# Altium PCB AirScoutPCBV2.1.PcbDoc (continued)
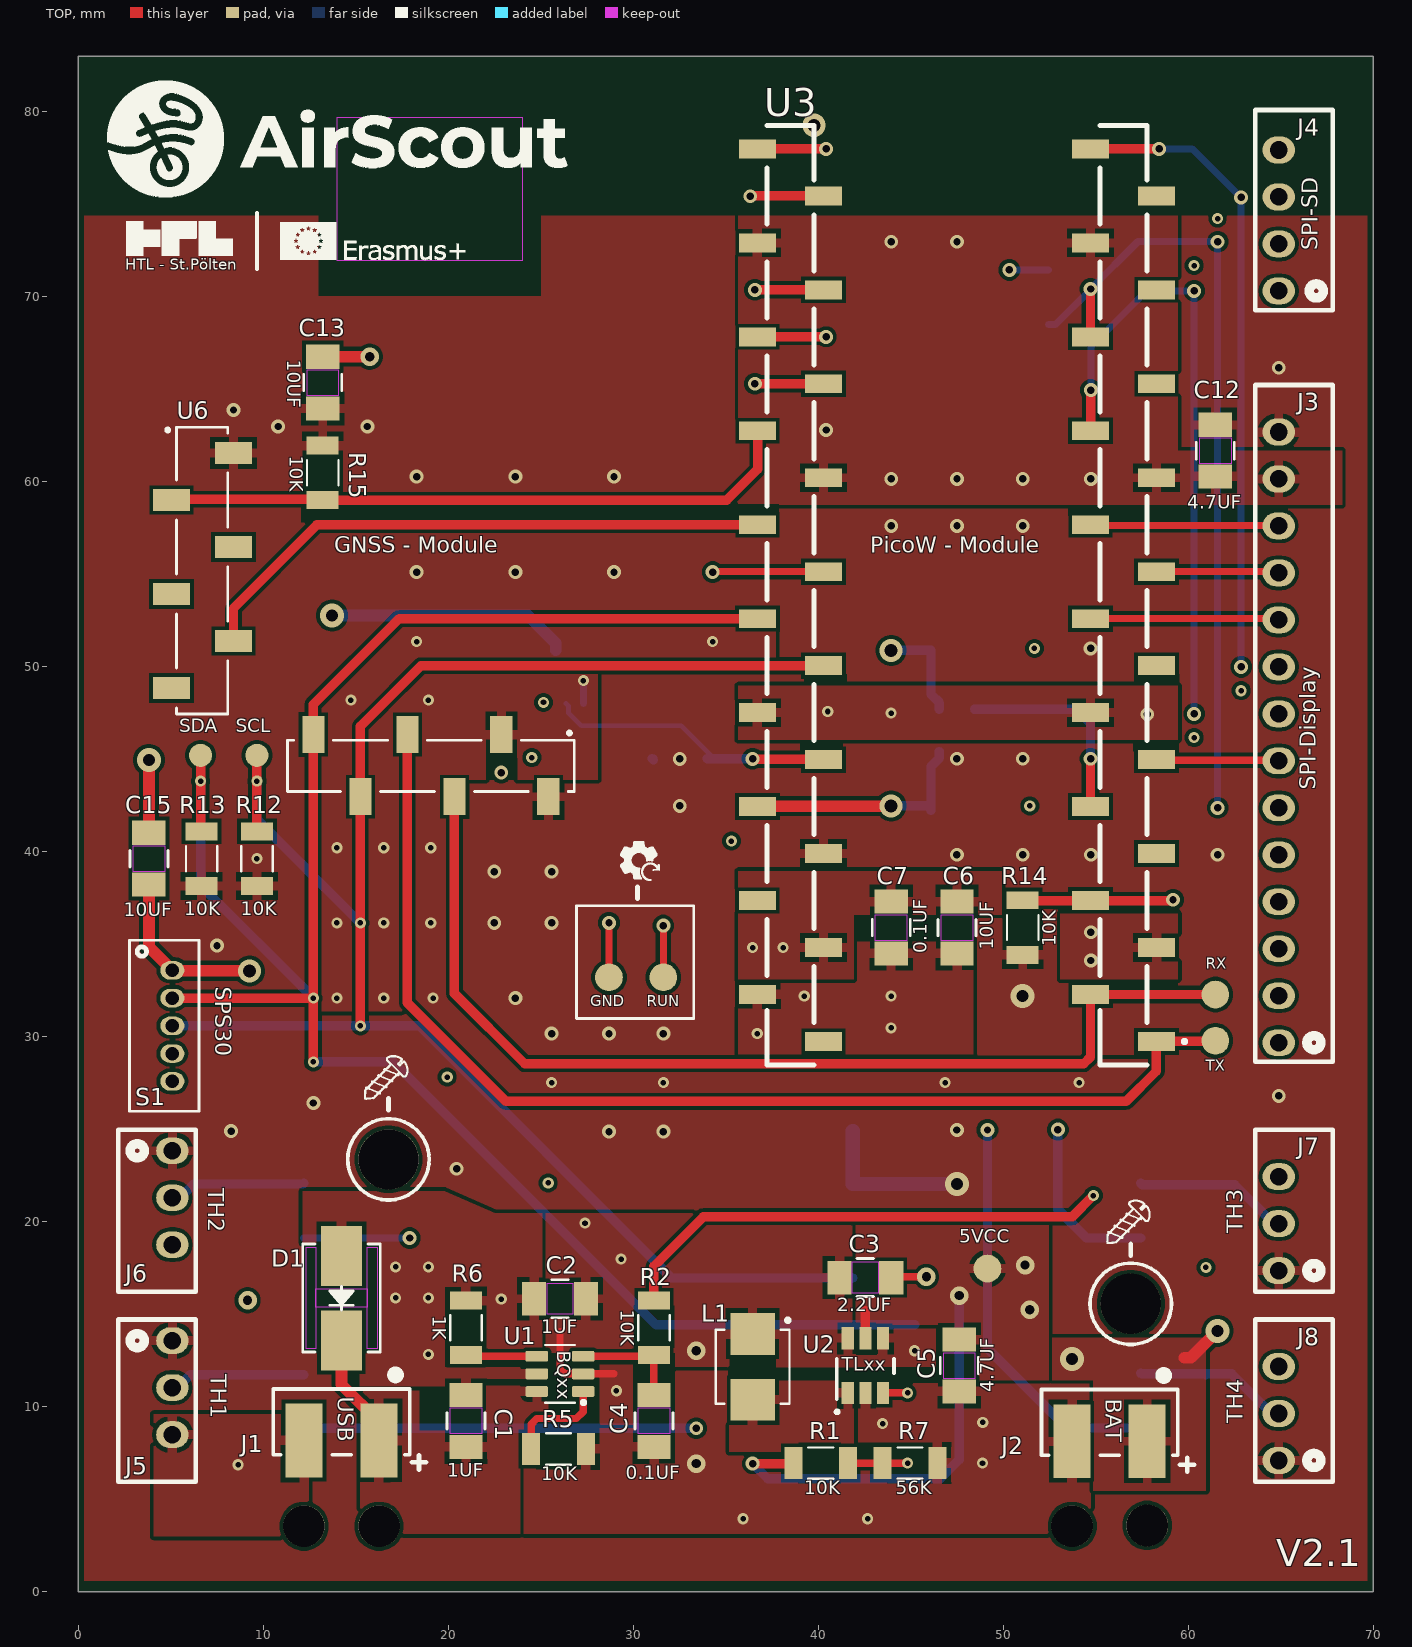
[diagram p0: TOP view]
## Components (designator, comment, footprint, x,y, rotation, side; value= is the part's Value field where it differs from the comment) (continued)
U3 "SSM-120-L-SV-BE-K-TR" "PicoW SC019" 47.5,54 r180 top
U4 "MCP6006T-E/OT" SOT23-5-AP2202K_DIO-M 27.305,46.566 r270 bottom
U5 "TCR2EF33,LM(CT" "SOT-25   SMV_TOS" 47.498,46.566 r270 bottom
U6 "NPPC061KFXC-RC" CAM8MQ-Mod 5.006,79.952 r270 top locked

## Footprints (in the part's own frame and the unit in brackets; to place one, negate y for a bottom-side part, rotate by r counter-clockwise, add the part's x,y. Pads: shape width x height; smd on the part's side, far side on the other; paste and mask are expansions set on the pad)
CAM8MQ-Mod [mm] "For SMD Soldering"
  rect 1.2x2 smd paste+0 mask+0.025: 1(18.4,3.376) 2(20.94,0.024) 3(23.48,3.376) 4(26.02,0.024) 5(28.56,3.376) 6(31.1,0.024)
  rect 2x1.2 smd paste+0 mask+0.025: 7(36.976,20.4) 8(33.624,17.86) 9(36.976,15.32) 10(33.624,12.78) 11(36.976,10.24) 12(33.624,7.7)
  TOP keep-out region: 0.25,19 8,19 8,9 0.25,9
  silkscreen extent 17,0.3 36.7,21.8, body extent 17.14,-0.5 37.58,21.59, height 7.49
CAPC340180_140N_KEM [mm] "Caseform: 1206 Imperial; for Caps"
  rect 1.306x1.8 smd paste+0 mask+0: 1(-1.403,0) 2(1.403,0)
  TOP keep-out region: -0.699,-0.849 -0.699,0.849 0.699,0.849 0.699,-0.849
  silkscreen extent -0.44,-1.03 0.44,1.03, body extent -1.7,-0.9 1.7,0.9, height 1.4
CON2x1 [mm]
  rect 2x4 smd paste-1.803 mask-1.803: 1(2.032,-0.508) 2(-2.032,-0.508)
  silkscreen extent -3.68,-1.27 3.68,3.25
CONN5_B5B-ZR_JST [mm]
  oval 1x1.3 hole 0.737 paste-2539.97: 1(0,0) 2(-1.5,0) 3(-3,0) 4(-4.5,0) 5(-6,0)
  silkscreen extent -7.62,-1.43 1.62,2.33, body extent -7.5,-1.24 1.5,2.26, height 4.5
CONN_3POL_SAMTEC [mm] "0705430013"
  oval 1.45x1.75 hole 0.95: 1(0,0) 2(-2.54,0) 3(-5.08,0)
  silkscreen extent -7.62,-1.27 1.14,2.92, body extent -7.23,-1.27 0.88,5.08, height 5.46
CONN_14POL_SAMTEC [mm] "0705430013"
  oval 1.45x1.75 hole 0.95: 1(0,0) 2(-2.54,0) 3(-5.08,0) 4(-7.62,0) 5(-10.16,0) 6(-12.7,0) 7(-15.24,0) 8(-17.78,0) 9(-20.32,0) 10(-22.86,0) 11(-25.4,0) 12(-27.94,0) 13(-30.48,0) 14(-33.02,0)
  silkscreen extent -35.56,-1.27 1.03,2.92, body extent -35.29,-1.27 0.75,5.08, height 5.97
DBV0006A_M [mm]
  rect 1.2x0.65 smd paste+0 mask+0.051: 1(-1.475,0.95) 2(-1.475,0) 3(-1.475,-0.95) 4(1.475,-0.95) 5(1.475,0) 6(1.475,0.95)
  silkscreen extent -1.83,-1.55 0.38,1.55, body extent -1.4,-1.45 1.4,1.45, height 1.2
IND_FDSD0420-H-100M=P3 [mm]
  rect 2.25x2.4 smd: 1(-1.778,0) 2(1.778,0)
  silkscreen extent -2.62,-2 2,2, body extent -2,-2 2,2, height 2
"PicoW SC019" [mm] "For Description look into Schematics"
  rect 2x1.02 smd: 1(-10.778,24.26) 2(-7.222,21.72) 3(-10.778,19.18) 4(-7.222,16.64) 5(-10.778,14.1) 6(-7.222,11.56) 7(-10.778,9.02) 8(-7.222,6.48) 9(-10.778,3.94) 10(-7.222,1.4) 11(-10.778,-1.14) 12(-7.222,-3.68) 13(-10.778,-6.22) 14(-7.222,-8.76) 15(-10.778,-11.3) 16(-7.222,-13.84) 17(-10.778,-16.38) 18(-7.222,-18.92) 19(-10.778,-21.46) 20(-7.222,-24) 21(10.778,-24) 22(7.222,-21.46) 23(10.778,-18.92) 24(7.222,-16.38) 25(10.778,-13.84) 26(7.222,-11.3) 27(10.778,-8.76) 28(7.222,-6.22) 29(10.778,-3.68) 30(7.222,-1.14) 31(10.778,1.4) 32(7.222,3.94) 33(10.778,6.48) 34(7.222,9.02) 35(10.778,11.56) 36(7.222,14.1) 37(10.778,16.64) 38(7.222,19.18) 39(10.778,21.72) 40(7.222,24.26)
  silkscreen extent -12.4,-25.27 10.27,25.53, body extent -11.41,-25.27 11.16,25.53, height 7.52
PIM357 [mm] "With BME680 Sensor"
  rect 1.2x2 smd paste+0 mask+0.025: 1(1.65,3.176) 2(4.19,-0.176) 3(6.73,3.176) 4(9.27,-0.176) 5(11.81,3.176) 6(14.35,-0.176)
  silkscreen extent 0.25,0.1 15.75,2.87, body extent 0.38,-0.75 15.62,3.54, height 7.49
RESC3116X65N [mm] "Caseform: 1206 Imperial"
  rect 0.97x1.73 smd: 1(-1.48,0) 2(1.48,0)
  silkscreen extent -0.67,-0.85 0.67,0.85, body extent -1.55,-0.8 1.55,0.8, height 0.65
SAMTEC_IDMS-04-S-02.00 [mm]
  oval 1.45x1.75 hole 0.95: 1(0,0) 2(-2.54,0) 3(-5.08,0) 4(-7.62,0)
  silkscreen extent -9.78,-1.27 1.04,2.92, body extent -9.77,-1.27 0.88,5.08, height 5.46
SMB_DIO [mm]
  rect 3.25x2.21 smd paste+0 mask+0: A(2.286,0) K(-2.286,0)
  TOP keep-out region: -2.744,1.397 -2.744,1.919 2.744,1.919 2.744,1.397
  TOP keep-out region: -2.744,-1.919 -2.744,-1.397 2.744,-1.397 2.744,-1.919
  TOP keep-out region: -0.508,-1.397 -0.508,1.397 0.508,1.397 0.508,-1.397
  silkscreen extent -2.92,-2.1 2.92,2.1, body extent -2.8,-1.97 2.8,1.97, height 2.45
SOT23-5-AP2202K_DIO-M [mil]
  rect 47.15x20 smd paste+0 mask+0: 1(-57.08,37) 2(-57.08,0) 3(-57.08,-37) 4(57.08,-37.5) 5(57.08,37.5)
  silkscreen extent -39,-66 39,66, body extent -59,-61 59,61, height 57
SOT95P280X145-6N [mm]
  rrect25% 1.21x0.58 smd: 1(-1.255,0.95) 2(-1.255,0) 3(-1.255,-0.95) 4(1.255,-0.95) 5(1.255,0) 6(1.255,0.95)
  silkscreen extent -1.37,-1.56 0.8,1.64, body extent -1.4,-1.45 1.4,1.45, height 1.45
"SOT-25   SMV_TOS" [mil]
  rect 56x22 smd paste+0 mask+0: 1(-45.06,37.4) 2(-45.06,0) 3(-45.06,-37.4) 4(45.06,-37.4) 5(45.06,37.4)
  silkscreen extent -37,-62 37,62, body extent -55,-57 55,57, height 45

## Part data
C1 C2 C8: library part CAP, "CAP CER 1UF 25V X7R 1206"
C3: library part CAP, "CAP CER 2.2UF 50V X7R 1206"
C4 C7 C10 C11 C16 C17 C18 C19: library part CAP, "CAP CER 0.1UF 50V X7R 1206"
C5 C12: library part CAP, "CAP CER 4.7UF 50V X7R 1206"
C6 C9 C13 C14 C15: library part CAP, "CAP CER 10UF 25V X7R 1206"
D1: library part Diode-Schottky, "TVS DIODE 14VWM 23.2VC SMB"
J1 J2: library part CON2x1_vertical, "CONN HEADER VERT 2POS 2MM"
J3: library part CON7x2, "Alternitives: IDMS-14-D-03.00, IDMS-14-D-02.00, IDMS-14-D-03.00-R"
J4: library part "CON 4x1", "Alternitives:  IDMS-4-D-03.00, IDMS-4-D-02.00, IDMS-4-D-03.00-R"
J5 J6 J7 J8: library part "CON 3x1", "Alternitives:  IDMS-3-D-03.00, IDMS-3-D-02.00, IDMS-3-D-03.00-R"
L1: library part Inductor, "FIXED IND 10UH 2A 216 MOHM SMD;  / AIUR-05-100K"
R1 R2 R3 R5 R8 R12 R13 R14 R15 R16 R17 R18 R19: library part RES, "RES 10K OHM 1% 1/4W 1206"
R6: library part RES, "RES 1K OHM 1% 1/2W 1206"
R7: library part RES, "RES 56K OHM 5% 1/4W 1206"
R9: library part RES, "RES 200K OHM 5% 1/4W 1206"
R10 R11: library part RES, "RES 220K OHM 5% 1/4W 1206"
S1: library part "SPS30 Module", "Plug: CONN HEADER VERT 5POS 1.5MM; Air Sensor Dust Sensor Box SPS30 Module: 1649-1106-ND", ComponentLink1Description=Datasheet, ComponentLink1URL=https://sensirion.com/media/documents/8600FF88/64A3B8D6/Sensirion_PM_Sensors_Datasheet_SPS30.pdf, ComponentLink2Description="EU Component", ComponentLink2URL=https://www.digikey.at/en/products/detail/sensirion-ag/SPS30/9598990?gclsrc=aw.ds&gad_source=1&gad_campaignid=9415055229&gbraid=0AAAAADrbLlghU28cdFM9RQIiS448Os4NQ&gclid=Cj0KCQjwzt_FBhCEARIsAJGFWVladtv1vxGMu0RXHFTM9ng6qsDvV838Q-BR2Fl5FYFzWahIkC0y_aYaAqE3EALw_wcB
S2: library part "BME680 Module", "Header: CONN HDR 6POS 0.1 GOLD SMD; Sensor: EVAL BOARD BME680 SENSOR - Gas, Feuchtigkeit, Druck, Temperatur Evaluierungsboards - Sensoren", ComponentLink1Description=Datasheet, ComponentLink1URL=chrome-extension://efaidnbmnnnibpcajpcglclefindmkaj/https://mm.digikey.com/Volume0/opasdata/d220001/medias/docus/854/PIM357_Web.pdf
U1: "OVP (Over-Voltage-Protection), SCP (Short-Circuit- Protection), OTP (Over - Temp. - Prot.); 1-cell, 0.8-A Li-ion and Li-polymer battery charger", Package="SOT-23-6 Texas Instruments", Check_prices=https://www.snapeda.com/parts/BQ21040DBVR/Texas+Instruments/view-part/?ref=eda, MF="Texas Instruments", MP=BQ21040DBVR, SnapEDA_Link=https://www.snapeda.com/parts/BQ21040DBVR/Texas+Instruments/view-part/?ref=snap
U2: "28-V Output Voltage Boost Converter with Power Diode and Isolation Switch 6-SOT-23 -40 to 125", Manufacturer_Name="Texas Instruments", Copyright="Copyright (C) 2025 Ultra Librarian. All rights reserved.", Manufacturer_Part_Number=TLV61046ADBVR, RefDes=RefDes, Type=TYPE
U3: library part "Raspberry PicoW SC019 Module", "(2x) CONN RCPT 20POS 0.1 GOLD SMD; PicoW: SC0918; RASPBERRY PI PICO W RP2040", ComponentLink1Description="EU Component", ComponentLink1URL=https://www.reichelt.at/at/de/shop/produkt/raspberry_pi_pico_rp2040_cortex-m0_microusb-295706, ComponentLink2Description=Datasheet, ComponentLink2URL=chrome-extension://efaidnbmnnnibpcajpcglclefindmkaj/https://datasheets.raspberrypi.com/picow/pico-w-datasheet.pdf
U4: "IC OPAMP GP 1 CIRCUIT SOT23-5"
U5: library part TCR2EF33,LMCT, "IC REG LINEAR 3.3V 200MA SMV", Manufacturer_Name="Toshiba Electronic Devices & Storage Corp.", Copyright="Copyright (C) 2025 Ultra Librarian. All rights reserved.", Manufacturer_Part_Number=TCR2EF33,LM(CT, RefDes=RefDes, Type=Type
U6: library part "CAM-M8Q Module", "(2x) CONN HDR 6POS 0.1 GOLD SMD; GPS - Module:  201880; CAM-M8Q-BREAKOUT MULTI GNSS MODU", ComponentLink1Description="Datasheet IC", ComponentLink1URL=chrome-extension://efaidnbmnnnibpcajpcglclefindmkaj/https://content.u-blox.com/sites/default/files/CAM-M8-FW3_DataSheet_%28UBX-15031574%29.pdf

## Free pads (board coordinates)
  round 1.5 smd: 1(28.686,33.212) 1(31.623,33.212) 1(49.149,17.464) 1(61.468,29.783) 1(61.468,32.28)
  round 1.25 smd: 2(6.604,45.212) 2(9.652,45.212)
  round 3.25 hole 3.25 unplated: BM1(56.896,15.559) BM2(16.764,23.368)
  round 2.25 hole 2.25 unplated: CM1(12.192,3.542) CM2(16.256,3.542) CM3(53.721,3.542) CM4(57.785,3.576)

## Via types
v1: diameter 0.75, hole 0.4, TOP to BOTTOM, 75 vias
v2: diameter 0.6, hole 0.3, TOP to BOTTOM, 64 vias
v3: diameter 1, hole 0.5, TOP to BOTTOM, 8 vias
v4: diameter 1.3, hole 0.65, TOP to BOTTOM, 6 vias
v5: diameter 1.25, hole 0.7, TOP to BOTTOM, 3 vias
v6: diameter 1.27, hole 0.711, TOP to BOTTOM, 1 vias

## Nets (pads, with @x,y where several pads share a name; then routed paths per layer and width w, separated by ;. In a path a pad name is that pad's centre, name@x,y a point inside that pad or via, vN(x,y) a via of type N, cw(c..) or ccw(c..) an arc to the next point about the centre after c; other vN are vias at no path point)
3V3: C12.2 C13.2 C14.2 J3.14 J5.1 J6.1 J7.1 J8.1 R3.2 R12.2 R13.2 R14.2 R15.2 S2.1 U3.36 U6.1 U6.7 | length 13.2
  SRC/S2 w0.762: v1(32.512,42.483) v1(32.512,45.023)
  BOTTOM w0.381: v1(50.336,71.457) R3.2
  BOTTOM w0.762: C14.2 41.866,24.902 41.866,22.043 S2.1 v4(47.498,22.036)
  other v1: 20.447,22.86 28.686,24.868 31.623,24.868 8.255,24.892 47.498,24.957 12.7,26.416 64.897,26.797 25.582,30.164 28.686,30.164 31.623,30.164 23.622,32.088 7.493,34.925 22.479,36.152 25.582,36.152 22.479,38.927 25.582,38.927 47.498,39.835 51.054,39.835 54.737,39.835 61.595,39.835 47.498,45.027 51.054,45.027 54.722,50.992 18.288,55.12 23.622,55.12 28.956,55.12 43.946,57.618 47.502,57.618 51.058,57.618 18.288,60.282 23.622,60.282 28.956,60.282 10.795,62.992 15.621,62.992 8.382,63.881 64.897,66.167
  other v2: 9.652,39.624
  other v4: 51.054,32.196
3V3-REF: C8.2 U3.35 U5.5 | length 12.8
  TOP w0.635: U3.35 36.743,42.462 43.92,42.462 v5(43.942,42.483)
  BOTTOM w0.508: v5(43.942,42.483) C8.2@46.076,42.483 ; C8.2@46.086,42.241 46.095,42.232 46.095,44.613 46.548,45.066 U5.5
5VCC: C5.2 C6.2 C7.2 C9.2 C11.2 C15.2 pad.1@49.149,17.464 R1.2 R10.2 S1.1 U2.5 U3.39 U4.5 U5.1 | length 67.6
  TOP w0.508: v1(36.449,6.92) 38.63,6.92 R1.2 ; U2.5@42.545,13.624 42.545,15.197
  TOP w0.635: C15.2 3.81,34.858 4.86,33.808 4.86,33.757 5.029,33.588 S1.1 5.102,33.566 9.234,33.566 v5(9.256,33.543)
  SRC/S2 w0.635: v5(9.256,33.543) 36.307,33.543 36.322,33.528 ; 41.536,19.439 42.191,19.439 42.2,19.431 42.458,19.431 42.527,19.361
  BOTTOM w0.508: v1(36.449,6.92) 37.267,6.102 46.591,6.102 47.625,7.136 v3(47.625,16.002) ; v5(43.942,50.881) 43.951,50.891 46.086,50.891 C11.2 46.095,48.519 46.548,48.066 U5.1
  other v1: 22.86,44.28
  other v2: 36.703,30.164 43.942,30.48 39.243,32.196 43.942,32.196 24.511,45.085 25.146,48.071
  other v3: 51.435,15.24 51.181,17.653
ADC2: R9.2 U3.34 U4.1 | length 15.7
  TOP w0.508: v1(36.449,45.023) 36.478,44.994 U3.34@40.278,44.994
  BOTTOM w0.254: U4.1 26.492,47.889 26.492,47.506 27.178,46.82 32.594,46.82 34.246,45.168 R9.2@34.246,45.042
  BOTTOM w0.508: R9.2 34.011,45.023 34.246,45.023 v1(36.449,45.023)
CHG: R2.1 R14.1 U3.4 | length 53
  TOP w0.508: R2.1 31.115,17.591 33.782,20.258 53.721,20.258 v2(54.871,21.408) ; R14.1@51.181,37.378 51.199,37.36 U3.4 59.139,37.36 v1(59.182,37.403)
  GND/S1 w0.508: v2(54.871,21.408) 59.182,25.719 v1(59.182,37.403)
CONT: U3.6 U5.3 | length 11.1
  TOP w0.508: U3.6 v1(54.722,45.027)
  BOTTOM w0.508: U5.3 53.955,47.71 54.722,46.943 v1(54.722,45.027)
DC: J3.10 U3.10 | length 10.5
  TOP w0.381: U3.10 J3.10@65.086,52.6
  TOP w0.508: J3.10@65.086,52.6 J3.10@65.151,52.535
EXTIN: U3.29 U6.5 | length 32
  TOP w0.508: U6.5 8.382,53.17 12.892,57.68 U3.29
FB: R1.1 R7.2 U2.3 | length 8.4
  TOP w0.4: R1.1 R7.2 v2(44.831,6.942) ; U2.3 v2(44.831,10.744)
  GND/S1 w0.4: v2(44.831,6.942) v2(44.831,10.744)
GND: C1.1 C2.1 C3.1 C4.1 C5.1 C6.1 C7.1 C8.1 C9.1 C10.1 C11.1 C12.1 C13.1 C14.1 C15.1 C16.1 C17.1 C18.1 C19.1 D1.A J1.2 J2.2 J3.13 J5.3 J6.3 J7.3 J8.3 pad.1@28.686,33.212 R5.1 R6.1 R7.1 R11.1 S1.5 S2.2 U1.5 U2.2 U3.3 U3.8 U3.13 U3.18 U3.23 U3.28 U3.33 U3.38 U4.2 U5.2 U6.8 | length 12.6
  TOP w0.4: pad.1@28.686,33.212 v1(28.686,36.152) ; C3.1 43.991,17.018 v3(45.847,17.018)
  TOP w0.635: C15.1 v4(3.81,44.958) ; C13.1 v3(15.748,66.765)
  BOTTOM w0.4: U4.2 v2(27.305,49.252)
  other v1: 54.737,34.12 54.737,35.644 57.785,47.436 43.946,60.158 47.502,60.158 51.058,60.158 54.737,60.158 40.426,62.803 43.946,72.982 47.502,72.982
  other v2: 35.941,3.937 42.672,3.937 8.636,6.858 48.88,6.947 43.478,9.082 48.895,9.144 18.923,12.828 22.86,15.813 17.145,15.875 18.923,15.875 60.96,17.526 17.145,17.558 18.923,17.558 25.4,22.098 25.582,27.516 31.623,27.516 46.863,27.516 54.102,27.516 19.939,27.813 13.97,32.088 16.51,32.088 19.177,32.088 36.449,34.82 38.1,34.82 13.97,36.152 16.51,36.152 19.05,36.152 13.97,40.214 16.51,40.216 19.05,40.216 35.306,40.578 51.435,42.483 60.325,46.166 43.942,47.498 40.513,47.582 14.732,48.198 18.923,48.198 62.865,48.706 51.689,50.992 18.288,51.361 34.29,51.361 60.325,71.693 61.595,74.233
  other v3: 33.401,6.92
I2C/SCL: pad.2@9.652,45.212 R12.1 S1.3 S2.3 U3.32 U6.11 | length 99.1
  TOP w0.508: R12.1 pad.2@9.652,45.212 ; v2(15.246,30.588) U6.11 15.246,46.782 18.524,50.06 U3.32
  BOTTOM w0.508: S1.3 v2(15.246,30.588) 18.434,30.588 32.066,16.956 S2.3 ; v2(9.652,43.815) 9.652,41.74 v2(15.24,36.152)
I2C/SDA: pad.2@6.604,45.212 R13.1 S1.2 S2.4 U3.31 U6.12 | length 109.2
  TOP w0.508: S1.2 v2(12.705,32.088) ; pad.2@6.604,45.212 6.604,41.163 R13.1 ; v2(12.7,28.64) 12.702,28.642 12.702,32.086 v2(12.705,32.088) ; 12.7,34.465 12.705,34.459 v2(12.705,32.088) ; 12.705,34.465 12.703,34.467 U6.12@12.703,46.326 ; U6.12 U6.12@12.703,46.326 ; U3.31@36.232,52.6 17.337,52.6 12.7,47.963 12.7,46.328 U6.12@12.702,46.326
  BOTTOM w0.508: v2(6.604,43.815) 6.604,38.189 v2(12.705,32.088) ; v2(12.7,28.64) 17.018,28.64 31.242,14.416 S2.4
LED: J3.7 U3.7 | length 7.2
  TOP w0.381: U3.7@58.311,44.947 J3.7@65.373,44.947
  TOP w0.508: U3.7 U3.7@58.311,44.947 ; J3.7@65.373,44.947 J3.7@65.405,44.915
NetC4_2: C4.2 R2.2 U1.3 | length 6
  TOP w0.4: U1.3 31.049,12.718 R2.2 C4.2
NetC10_2: C10.2 R8.1 U4.3
NetC16_2: C16.2 J5.2 R16.1 | length 7.4
  BOTTOM w0.508: J5.2 5.355,11.025 6.059,11.729 R16.1@12.192,11.729
NetC17_2: C17.2 J6.2 R17.1 | length 7.4
  BOTTOM w0.508: J6.2 5.496,21.293 6.239,22.036 8.636,22.036 12.153,22.036 R17.1
NetC18_2: C18.2 J7.2 R18.1 | length 8.4
  BOTTOM w0.508: R18.1 57.52,21.997 62.521,21.997 64.622,19.896 J7.2
NetC19_2: C19.2 J8.2 R19.1 | length 8.4
  BOTTOM w0.508: R19.1 57.481,11.768 60.921,11.768 C19.2 60.999,11.768 62.357,11.768 64.497,9.628 J8.2
NetL1_2: L1.2 U2.1
NetR5_2: R5.2 U1.1 | length 5.5
  TOP w0.4: R5.2 24.478,9.052 24.781,9.355 26.924,9.355 27.29,9.721 U1.1
NetR6_2: R6.2 U1.4 | length 3.9
  TOP w0.4: R6.2 21.021,12.718 U1.4
RESET: R15.1 U3.27 U6.2 | length 34.5
  TOP w0.508: U6.2 5.077,59.06 R15.1@13.208,59.06 ; R15.1 35.052,59.012 36.722,60.682 U3.27
RST: J3.11 U3.11 | length 7.2
  TOP w0.381: U3.11 J3.11@64.624,55.14
  TOP w0.508: J3.11@64.624,55.14 64.816,54.948 65.024,54.948 J3.11@65.278,55.202
RUN: pad.1@31.623,33.212 U3.30 | length 29
  TOP w0.381: pad.1@31.623,33.212 31.663,33.426 31.663,33.869 31.623,33.909 v1(31.623,36.006) ; v1@34.311,55.14 U3.30
  GND/S1 w0.381: v1(31.623,36.006) 31.623,52.453 v1(34.29,55.12)
SPI/CS-DIS: J3.12 U3.12 | length 10.5
  TOP w0.381: U3.12@54.755,57.647 J3.12@65.119,57.647
  TOP w0.508: U3.12 U3.12@54.755,57.647 ; J3.12@65.119,57.647 J3.12@65.151,57.615
SPI/CS-SD: J4.4 U3.21 | length 29.8
  TOP w0.508: U3.21 v1(40.426,78)
  GND/S1 w0.381: v1(40.426,78) 42.393,79.967 62.872,79.967 J4.4
SPI/MISO: J3.6 J4.2 R3.1 U3.16 | length 51.3
  TOP w0.508: U3.16 v1(54.722,70.427)
  GND/S1 w0.381: v1(61.595,72.982) v1@61.615,72.962 ; J4.2@65.385,72.962 J4.2@65.405,72.942
  GND/S1 w0.508: v1(61.595,42.375) J3.6 ; v1@61.615,72.962 J4.2@65.385,72.962
  BOTTOM w0.381: R3.1 52.831,68.497 54.722,70.388 v1(54.722,70.427) 57.277,72.982 v1(61.595,72.982) v1(61.595,42.375)
SPI/MOSI: J3.9 J4.3 U3.20 | length 38.7
  TOP w0.508: U3.20 v1(58.426,78)
  GND/S1 w0.381: v1@62.856,49.986 v1(62.865,49.995) ; v1(62.865,75.376) v1@62.878,75.389 ; J3.9@64.888,49.986 J3.9
  GND/S1 w0.508: v1(62.865,49.995) 64.878,49.995 J3.9@64.888,49.986 ; v1@62.878,75.389 J4.3@64.897,75.389
  BOTTOM w0.381: v1(58.426,78) 60.241,78 v1(62.865,75.376) v1(62.865,49.995)
SPI/SCK: J3.8 J4.1 U3.14 | length 43.5
  TOP w0.508: U3.14 54.737,62.775 v1(54.737,64.962)
  GND/S1 w0.508: v1(60.325,47.455) J3.8 ; v1(60.325,70.322) J4.1
  BOTTOM w0.381: v1(54.737,64.962) 54.737,67.31 57.749,70.322 v1(60.325,70.322) v1@60.325,47.309
TCH1: R16.2 U3.25 | length 93.5
  TOP w0.508: U3.25@36.74,67.822 U3.25 v1(40.426,67.84)
  GND/S1 w0.508: v1(33.401,8.828) 45.72,21.147 45.72,27.389 ; v1(40.426,67.84) 44.258,67.84 45.72,66.378 45.72,27.399
  BOTTOM w0.4: R16.2 R16.2@12.201,8.837
  BOTTOM w0.508: R16.2@12.201,8.837 v1@33.401,8.837
TCH2: R17.2 U3.26 | length 79.2
  TOP w0.508: v1(36.574,65.3) U3.26
  GND/S1 w0.508: v1(17.907,19.115) 32.639,19.115 42.164,28.64 42.164,64.219 41.083,65.3 v1(36.574,65.3)
  BOTTOM w0.4: R17.2 v1@17.906,19.115
TCH3: R18.2 U3.22 | length 79.5
  TOP w0.508: v1(36.322,75.438) 36.344,75.46 U3.22
  GND/S1 w0.508: v1(36.322,75.438) 51.054,75.438 52.959,73.533 v1@52.959,25.018
  BOTTOM w0.508: v1@52.959,25.103 52.959,20.658 54.502,19.115 R18.2
  other v1: 52.959,24.976
TCH4: R19.2 U3.24 | length 82.7
  TOP w0.508: v1(36.574,70.38) U3.24
  GND/S1 w0.508: v1(36.574,70.38) 47.603,70.38 49.149,68.834 v1(49.149,24.957)
  BOTTOM w0.508: v1(49.149,24.957) 49.149,13.146 53.449,8.846 R19.2
UART/RX: pad.1@61.468,32.28 U3.2 U6.9 | length 57
  TOP w0.508: U6.9 20.326,32.336 24.13,28.532 54.356,28.532 54.722,28.898 U3.2 61.552,32.28 pad.1@61.595,32.323
UART/TX: pad.1@61.468,29.783 U3.1 U6.10 | length 62.7
  TOP w0.508: U6.10 17.786,31.828 23.114,26.5 56.642,26.5 58.278,28.136 U3.1 58.299,29.762 61.447,29.762 pad.1@61.468,29.783
VBUS: C1.2 D1.K J1.1 U1.6 | length 6.1
  TOP w0.635: D1.K@14.224,13.4 14.224,11.191 16.256,9.159 J1.1
VCC: C2.2 C3.2 J2.1 L1.1 R8.2 U1.2 U2.4 U2.6 | length 70.6
  TOP w0.4: 26.035,14.054 26.035,12.022 26.289,11.768 U1.2 28.937,11.768
  TOP w0.635: 59.806,12.636 60.134,12.636 v4(61.595,14.097)
  SRC/S2 w0.635: v3(9.144,15.748) 4.826,15.748 2.413,18.161 2.413,18.669 2.413,46.636 8.547,52.77 v4(13.716,52.77)
  BOTTOM w0.635: v4(13.716,52.77) 24.322,52.77 25.812,51.28 R8.2
  other v2: 29.083,10.86 45.212,13.019 29.337,17.972 27.389,19.923
  other v3: 33.401,13.019
  other v4: 53.721,12.573
VIN-: R9.1 R10.1 R11.2 U4.4 | length 0.1
  BOTTOM w0.508: R9.1 R9.1@31.094,44.98
pads on no net: J3.1 J3.2 J3.3 J3.4 J3.5 S1.4 S2.5 S2.6 U3.5 U3.9 U3.15 U3.17 U3.19 U3.37 U3.40 U5.4 U6.3 U6.4 U6.6
copper on no net:
  other v6: 39.77,79.27

## Polygon pours and split planes (outlines as drawn)
GND on TOP "GND_L01_P003" (solid, pour order 3): 19.812,21.655 22.543,20.447 19.812,20.447
3V3 on TOP "3V3_L01_P103" (solid, remove dead copper, pour order 103): 0,83 70,83 70,0.573 0,0.573
5VCC on TOP "5VCC_L01_P008" (solid, pour order 8): 46.609,11.43 46.609,19.939 52.451,19.939 52.451,11.43
GND on TOP "GND_L01_P102" (solid, pour order 102): 35.116,7.239 35.116,12.139 32.272,12.139 32.269,12.141 32.269,7.239
GND on TOP "NONET_L-01_P-001" (solid, pour order 67): 35.687,48.979 59.436,48.979 59.436,46.058 35.687,46.058
VCC on TOP "VCC_L01_P012" (solid, pour order 12): 51.054,13.716 60.96,13.716 60.96,5.461 54.864,5.461 54.864,11.43 51.054,11.43
GND on TOP "GND_L01_P030" (solid, pour order 30): 19.812,21.655 12.127,21.655 12.127,16.764 19.812,16.764
VCC on TOP "VCC_L01_P031" (solid, pour order 31): 25.273,12.911 34.417,12.911 34.417,20.447 25.273,20.447
VBUS on TOP "VBUS_L01_P032" (solid, pour order 32): 15.24,3.113 18.415,3.113 18.415,10.86 15.24,10.86
VCC on TOP "VCC_L01_P101" (solid, pour order 101): 28.173,12.257 29.972,12.257 29.972,8.819 28.173,8.819
VCC on TOP "VCC_L01_P100" (solid, pour order 100): 32.258,12.152 32.258,18.734 33.528,20.004 42.037,20.004 42.037,14.548 42.037,12.106
VBUS on TOP "VBUS_L01_P033" (solid, pour order 33): 25.4,8.593 25.4,11.133 21.971,11.133 21.804,10.966 21.804,8.529 20.106,8.529 20.066,8.489 20.066,7.177 23.876,7.177 23.876,8.593
GND on TOP "GND_L01_P092" (solid, pour order 92): 25.273,20.447 25.273,13.038 21.971,13.038 21.971,15.197 19.812,15.197 19.812,20.447
5VCC on TOP "5VCC_L01_P053" (solid, pour order 53): 42.037,14.416 42.037,20.066 46.972,20.066 46.972,14.416
VCC on TOP "VCC_L01_P082" (solid, pour order 82): 41.91,14.562 40.445,14.562 40.513,14.494 40.513,12.784 37.903,12.784 37.903,12.149 46.355,12.149 46.355,14.308 43.18,14.308 43.18,12.784 41.91,12.784
NetL1_2 on TOP "NETL1_2_L01_P083" (solid, pour order 83): 41.91,11.387 41.91,7.558 35.179,7.558 35.179,11.387
GND on TOP "GND_L01_P088" (solid, pour order 88): 42.164,11.26 42.164,8.066 45.974,8.066 45.974,5.926 54.737,5.926 54.737,11.26
NetL1_2 on TOP "NETL1_2_L01_P090" (solid, pour order 90): 37.973,11.133 37.973,8.212 35.179,8.212 35.179,11.133
GND on TOP "GND_L01_P099" (solid, pour order 99): 15.202,17.014 19.812,17.014 19.812,12.13 25.4,12.13 25.4,11.426 23.876,11.495 20.32,11.495 20.32,11.114 15.202,11.114
GND on TOP "GND_L01_P096" (solid, pour order 96): 4.075,9.59 12.446,9.59 12.446,2.986 4.075,2.986
VBUS on TOP "VBUS_L01_P048" (solid, pour order 48): 16.891,8.691 16.891,3.113 23.876,3.113 23.876,8.674
GND on TOP "GND_L01_P095" (solid, pour order 95): 26.035,8.828 23.876,6.669 23.876,3.113 54.737,3.113 54.737,7.812 30.48,7.812 30.48,8.828
GND on TOP "NONET_L-01_P-001" (solid, pour order 54): 53.086,36.66 59.436,36.66 59.436,33.104 53.086,33.104
GND on TOP "GND_L01_P094" (solid, pour order 94): 17.78,47.836 17.78,31.369 12.7,31.369 12.7,47.836
GND on TOP "NONET_L-01_P-001" (solid, pour order 55): 35.687,33.104 35.687,38.946 41.91,38.946 41.91,33.104
GND on TOP "NONET_L-01_P-001" (solid, pour order 56): 15.367,47.836 20.066,47.836 20.066,32.342 24.13,28.278 54.356,28.278 54.864,28.786 57.912,28.786 57.912,28.024 56.134,26.246 23.222,26.246 15.367,34.101
5VCC on TOP "NONET_L-01_P-001" (solid, pour order 57): 41.91,35.136 48.387,35.136 48.387,29.04 35.687,29.04 35.687,33.104 41.91,33.104
GND on TOP "NONET_L-01_P-001" (solid, pour order 59): 43.347,36.597 49.911,36.597 49.911,38.946 48.26,38.946 41.91,38.946 41.91,36.597
GND on TOP "NONET_L-01_P-001" (solid, pour order 68): 68.326,58.761 35.56,58.761 35.56,61.682 68.326,61.682
GND on TOP "NONET_L-01_P-001" (solid, pour order 69): 35.687,74.379 59.436,74.379 59.436,61.552 35.687,61.552
GND on TOP "GND_L01_P052" (solid, pour order 52): 16.046,47.582 12.827,47.582 17.845,52.6 37.7,52.6 37.7,50.122 18.586,50.122
GND on TOP "GND_L01_P073" (solid, pour order 73): 16.383,47.582 18.796,49.995 28.067,49.995 28.067,43.899 18.542,43.899 18.542,47.582
GND on BOTTOM "GND_L04_P089" (solid, pour order 89): 0,83 70,83 70,0.573 0,0.573
GND on BOTTOM "GND_L04_P076" (solid, pour order 76): 54.722,66.871 58.293,70.442 60.198,70.442 60.198,49.614 63.754,49.614 63.754,72.982 56.007,72.982 54.722,71.697
VIN- on BOTTOM "NONET_L-01_P-001" (solid, pour order 22): 28.067,41.594 28.067,46.439 32.004,46.439 32.004,41.594
NetC10_2 on BOTTOM "NONET_L-01_P-001" (solid, pour order 23): 27.94,48.852 27.94,46.82 32.004,46.82 32.004,51.754 27.94,51.754
5VCC on BOTTOM "NONET_L-01_P-001" (solid, pour order 42): 22.098,48.725 22.098,41.594 27.94,41.594 27.94,48.725
5VCC on SRC/S2 "5VCC_L03_P074" (solid, pour order 74): 22.098,51.881 45.974,51.881 45.974,15.24 35.56,15.24 35.56,43.245 22.098,43.245
VCC on SRC/S2 "VCC_L03_P081" (solid, pour order 81): 62.611,4.129 62.611,14.986 38.299,14.986 38.299,4.129
VCC on SRC/S2 "VCC_L03_P085" (solid, pour order 85): 38.354,4.145 38.354,21.655 8.128,21.655 8.128,4.145
5VCC on SRC/S2 "5VCC_L03_P091" (solid, pour order 91): 35.56,21.655 35.56,13.146 62.611,13.146 62.611,21.655
3V3 on SRC/S2 "3V3_L03_P098" (solid, pour order 98): 0.005,83 70.005,83 70.005,0.573 0.005,0.573
GND on GND/S1 "GND_L02_P075" (solid, pour order 75): 0,83 70,83 70,0.573 0,0.573

## Other copper
TOP:
  pour cut-out: 29.996,15.49 32.234,15.49 32.234,13.146 29.996,13.146
  pour cut-out: 24.732,6.585 24.732,8.823 27.076,8.823 27.076,6.585
  pour cut-out: 19.836,15.49 22.074,15.49 22.074,13.146 19.836,13.146
  pour cut-out: 38.906,5.823 38.906,8.061 41.25,8.061 41.25,5.823
  pour cut-out: 35.179,12.829 37.655,12.829 37.719,12.829 37.719,11.368 35.198,11.368 35.179,11.387
  pour cut-out: 43.732,5.823 43.732,8.061 46.076,8.061 46.076,5.823
  pour cut-out: 12.954,80.964 12.954,70.042 25.019,70.042 25.019,80.964
  pour cut-out: 14.317,58.691 14.389,58.618 14.389,57.78 12.053,57.78 12.031,57.802 12.031,58.691
  pour cut-out: 35.594,57.898 35.522,57.971 35.522,58.809 37.858,58.809 37.88,58.787 37.88,57.898
  pour cut-out: 12.954,79.948 12.954,80.456 25.019,80.456 25.019,79.948
  pour cut-out: 55.922,58.129 55.922,58.637 53.487,58.637 53.487,58.129
  pour cut-out: 39.078,74.995 39.078,74.487 41.402,74.487 41.402,74.995
  pour cut-out: 59.478,45.445 59.478,45.953 57.027,45.953 57.027,45.445
  pour cut-out: 57.078,49.595 57.078,49.087 59.529,49.087 59.529,49.595
  pour cut-out: 41.313,45.445 41.313,45.953 39.027,45.953 39.027,45.445
  pour cut-out: 39.243,49.595 39.243,49.087 41.529,49.087 41.529,49.595
  pour cut-out: 59.436,33.104 59.436,32.577 58.547,32.577 58.547,33.085
  pour cut-out: 49.935,37.124 52.173,37.124 52.173,34.78 49.935,34.78
  pour cut-out: 12.089,61.718 14.327,61.718 14.327,59.374 12.089,59.374
  pour cut-out: 22.012,43.88 22.012,44.048 22.012,45.074 23.72,45.074 23.749,45.045 23.749,43.88
GND/S1:
  pour cut-out: 12.954,80.964 12.954,70.042 25.019,70.042 25.019,80.964
  pour cut-out: 59.563,74.427 59.563,82.79 35.687,82.79 35.687,82.155 35.687,74.427
SRC/S2:
  pour cut-out: 12.954,80.964 12.954,70.042 25.019,70.042 25.019,80.964
  pour cut-out: 59.563,74.379 59.563,82.742 35.687,82.742 35.687,82.107 35.687,74.379
BOTTOM:
  pour cut-out: 56.324,11.552 58.562,11.552 58.562,9.208 56.324,9.208
  pour cut-out: 56.324,21.82 58.562,21.82 58.562,19.477 56.324,19.477
  pour cut-out: 11.073,11.552 13.311,11.552 13.311,9.208 11.073,9.208
  pour cut-out: 11.073,21.82 13.311,21.82 13.311,19.477 11.073,19.477
  pour cut-out: 12.954,80.964 12.954,70.042 25.019,70.042 25.019,80.964
  pour cut-out: 59.563,74.427 59.563,82.79 35.687,82.79 35.687,82.155 35.687,74.427
  pour cut-out: 46.101,47.055 48.768,47.055 48.768,45.912 46.101,45.912
  pour cut-out: 26.302,43.356 26.302,41.635 28.334,41.635 28.334,43.356
  pour cut-out: 31.509,43.356 31.509,41.635 33.541,41.635 33.541,43.356
  pour cut-out: 31.509,45.896 31.509,44.175 33.541,44.175 33.541,45.896
  pour cut-out: 26.289,51.754 26.289,50.033 28.321,50.033 28.321,51.754
Multi-Layer:
  pour cut-out: 70,74.379 70,82.742 0,82.742 0,74.379

## Silkscreen, mask and mechanical layers (free items; w line width, h text height)
Top Overlay:
  drawing of 44 lines, arcs and shapes, not listed
  text "SPI-SD" at 67.315,72.512 h1.5 r90
  text "HTL - St.Pölten" at 2.54,71.247 h1
  text "10UF" at 11.049,66.613 h1.25 r270
  text "10K" at 11.176,61.406 h1.25 r270
  text "4.7UF" at 59.944,58.293 h1.25
  text "PicoW - Module" at 42.799,55.88 h1.5
  text "GNSS - Module" at 13.843,55.872 h1.5
  text "SDA" at 5.461,46.228 h1.25
  text "SCL" at 8.509,46.228 h1.25
  text "SPI-Display" at 67.183,43.355 h1.5 r90
  text "10K" at 5.715,36.322 h1.25
  text "10K" at 8.763,36.322 h1.25
  text "10UF" at 2.442,36.279 h1.25
  text "10K" at 53.086,34.882 h1.25 r90
  text "10UF" at 49.7,34.7 h1.25 r90
  text "0.1UF" at 46.1,34.5 h1.25 r90
  text "RX" at 60.96,33.466 h1
  text "SPS30" at 7.112,32.704 h1.5 r270
  text "GND" at 27.686,31.434 h1
  text "RUN" at 30.734,31.434 h1
  text "TX" at 60.96,27.94 h1
  text "TH2" at 6.731,21.812 h1.5 r270
  text "TH3" at 63.246,19.369 h1.5 r90
  text "5VCC" at 47.625,18.607 h1.25
  text "10K" at 29.083,15.24 h1.25 r270
  text "1K" at 18.923,14.924 h1.25 r270
  text "2.2UF" at 41.021,14.924 h1.25
  text "1UF" at 25.019,13.716 h1.25
  text "BQxx" at 25.654,13.019 h1.25 r270
  text "TH1" at 6.858,11.749 h1.5 r270
  text "TLxx" at 41.275,11.687 h1.25
  text "4.7UF" at 49.72,10.775 h1.25 r90
  text "USB" at 13.716,10.541 h1.5 r270
  text "BAT" at 55.245,10.414 h1.5 r270
  text "TH4" at 63.246,9.09 h1.5 r90
  text "1UF" at 19.939,5.969 h1.25
  text "0.1UF" at 29.591,5.842 h1.25
  text "10K" at 25.033,5.779 h1.25
  text "10K" at 39.243,5.018 h1.25
  text "56K" at 44.196,5.018 h1.25
  text "V2.1" at 64.77,0.889 h2.5
Bottom Overlay:
  circle w0.2: c56.896,15.559 r2.2
  circle w0.2: c16.764,23.368 r2.2
  text "Diploma - Thesis by:" at 18.161,80.513 h2
  text "Layout by Rene Gaupmann" at 17.218,78.843 h1.5
  text "Firmware by Julian Brandl" at 16.299,77.189 h1.5
  text "Class/Date:" at 9.285,75.621 h1.75
  text "5BHELS, 25/26" at 10.125,74.043 h1.5
  text "10K" at 53.34,66.802 h1.25
  text "0.1UF" at 49.022,52.262 h1.25
  text "10K" at 24.13,49.849 h1.25 r270
  text "0.1UF" at 35.814,49.595 h1.15 r90
  text "TCRxx" at 49.149,48.641 h1.25
  text "200K" at 35.814,46.547 h1.15 r90
  text "MCxx" at 28.702,46.293 h1.25
  text "10UF" at 23.368,45.974 h1.25
  text "220K" at 35.814,43.753 h1.15 r90
  text "220K" at 24.129,41.339 h1.15 r270
  text "1UF" at 48.514,40.451 h1.25
  text "10UF" at 44.069,27.559 h1.25 r90
  text "0.1UF" at 59.563,22.036 h1.25 r90
  text "10K" at 56.236,21.539 h1.25 r90
  text "10K" at 13.462,19.623 h1.25 r270
  text "0.1UF" at 10.033,19.115 h1.25 r270
  text "10K" at 13.589,9.336 h1.25 r270
  text "BME680 - Module" at 39.37,9.271 h1.5 r270
  text "0.1UF" at 10.033,8.828 h1.25 r270
  text "10K" at 58.293,6.985 h1.25
  text "0.1UF" at 62.357,6.985 h1.25
Mechanical 15:
  lines w0.254: 37.286,0.065 37.286,82.931 ; 0,0 70,0 70,83 0,83 0,0

## Text inside footprints (layer, text, board x,y; h text height)
U4: Bottom Overlay "*" at 25.781,48.598 h0.51 r90; Mechanical 13 "*" at 25.781,48.598 h0.51 r90
U5: Bottom Overlay "*" at 46.101,48.344 h0.51 r90; Mechanical 13 "*" at 46.101,48.344 h0.51 r90
U6: Mechanical 3 "GPS-Module" at 19.26,67.798 h0.85 r270